# KiCad board distribution.kicad_pcb (continued)
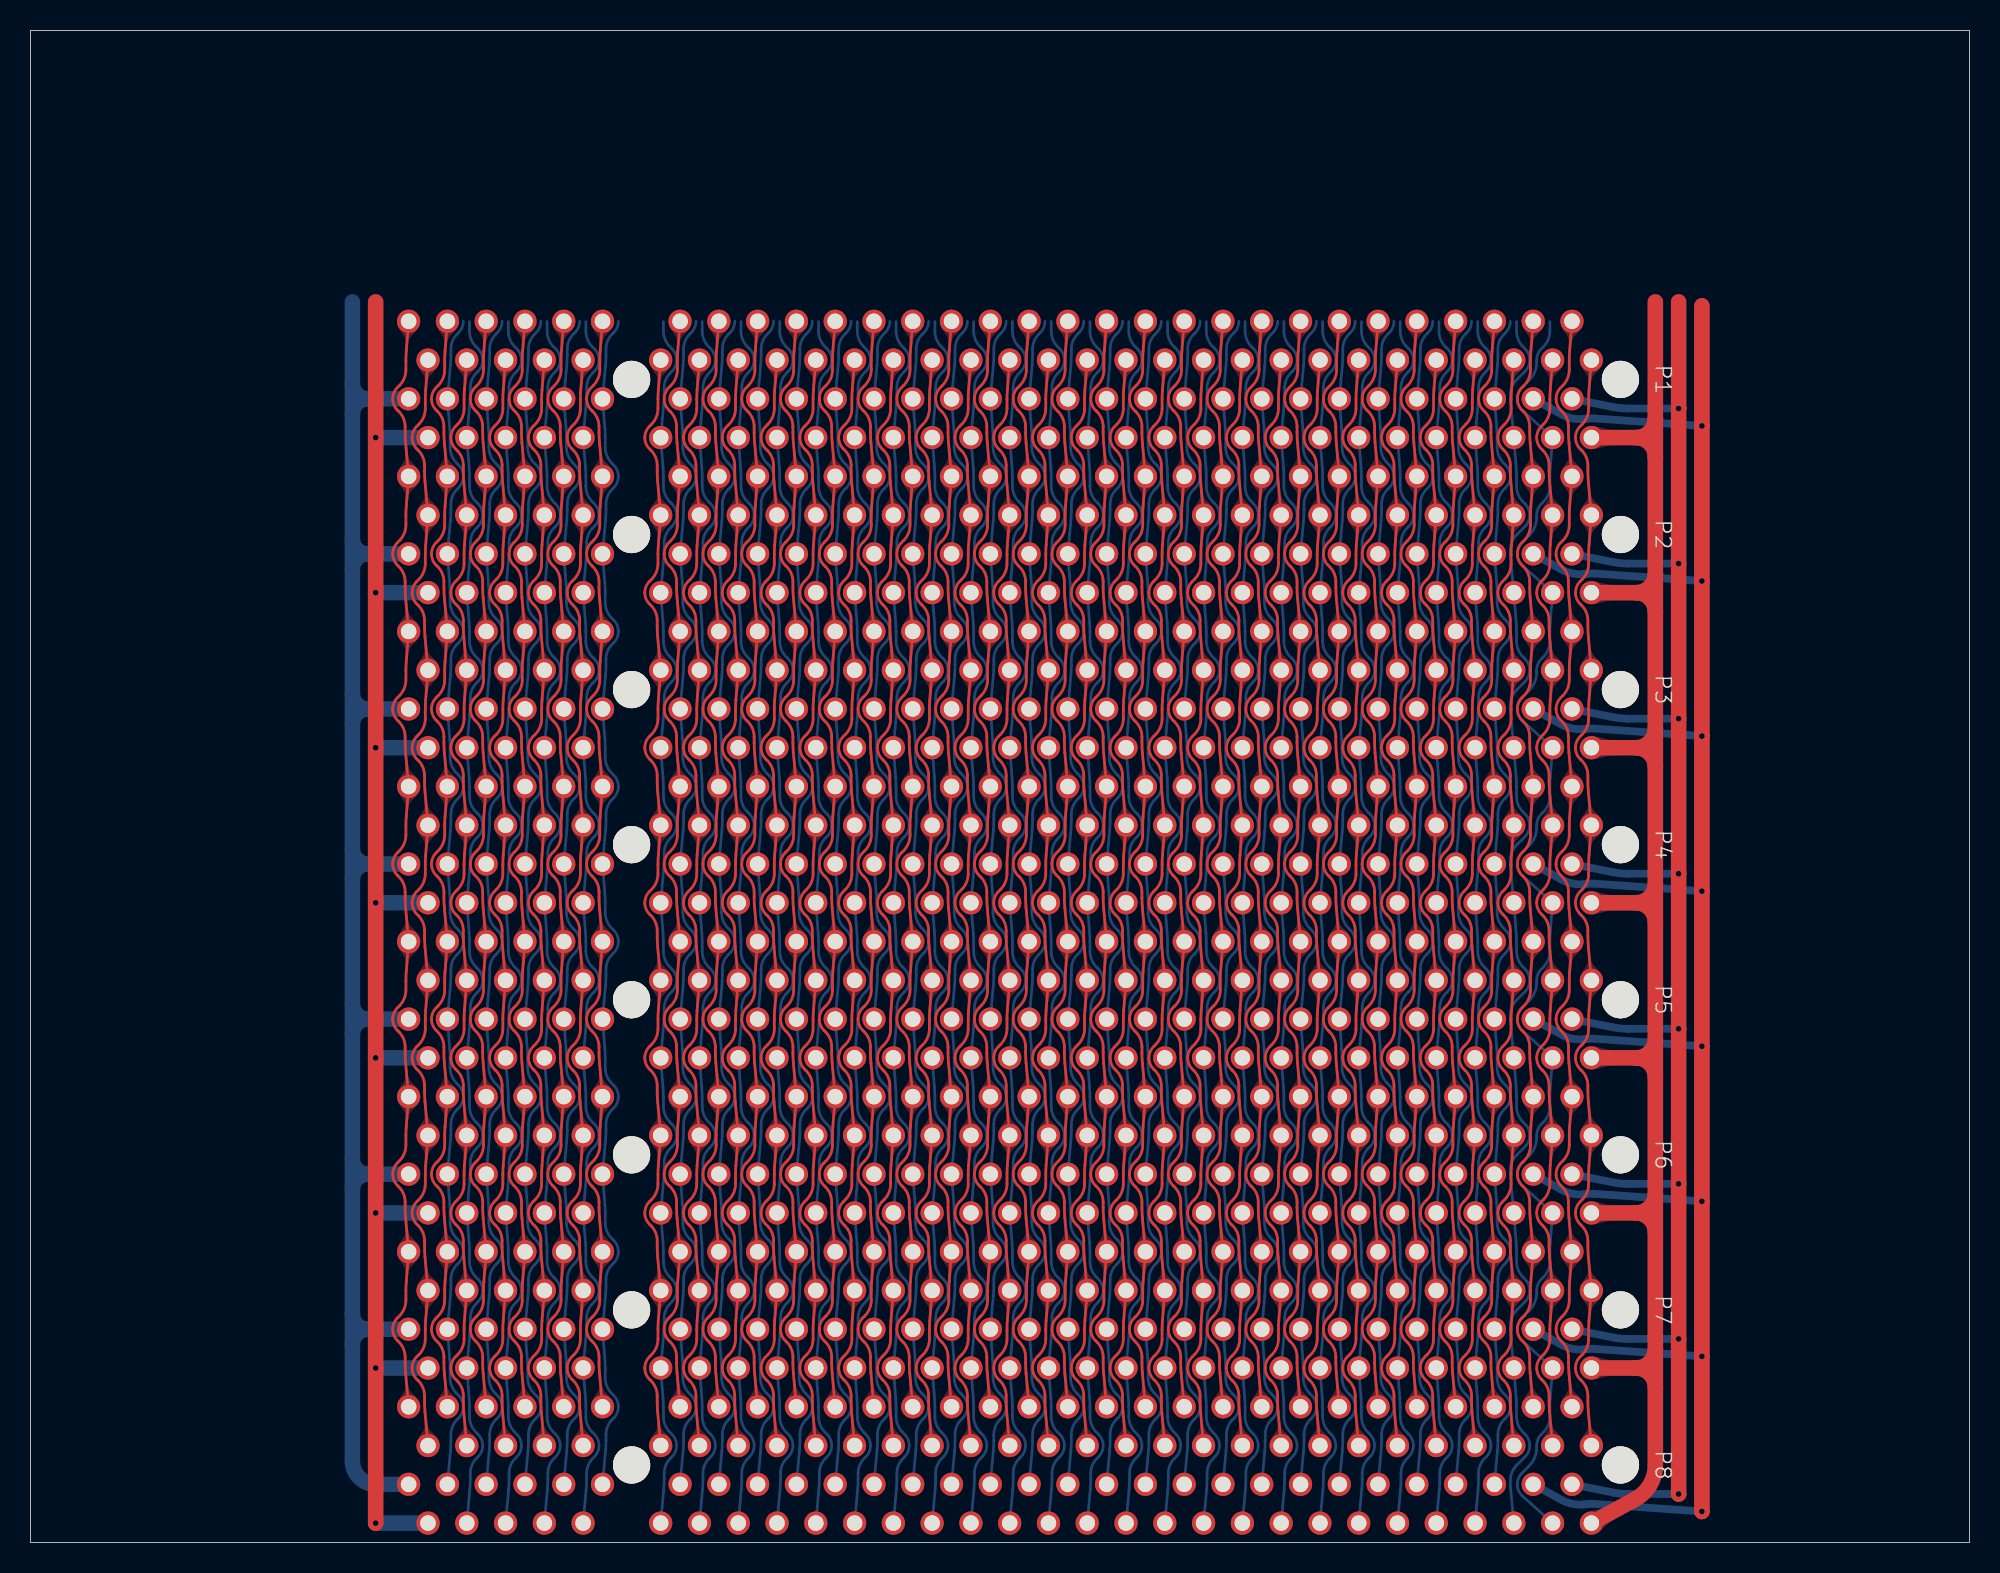
[diagram p0: board, top side]
## Routing (per net, layer and track width the routed paths; a pad name or vN(x,y) marks a point on that pad's centre or on a via; arc(x,y) is an arc through that point) (continued)
~{P6c}: length 79.9
  Bottom w0.178: P8.A24 73.22,6.01 arc(73.25,6.35) 73.25,6.69 73.25,7.07 arc(73.36,7.6) 73.66,8.05 73.76,8.15 arc(73.99,8.49) 74.07,8.89 arc(73.99,9.29) 73.76,9.63 73.63,9.75 arc(73.32,10.23) 73.2,10.8 73.2,11.41 arc(73.2,11.71) 73.18,12.01 P7.A24 73.22,16.17 arc(73.25,16.51) 73.25,16.85 73.25,17.23 arc(73.36,17.76) 73.66,18.21 73.76,18.31 arc(73.99,18.65) 74.07,19.05 arc(73.99,19.45) 73.76,19.79 73.63,19.91 arc(73.32,20.39) 73.2,20.96 73.2,21.57 arc(73.2,21.87) 73.18,22.17 P6.A24 73.22,26.33 arc(73.25,26.67) 73.25,27.01 73.25,27.39 arc(73.36,27.92) 73.66,28.37 73.76,28.47 arc(73.99,28.81) 74.07,29.21 arc(73.99,29.61) 73.76,29.95 73.63,30.07 arc(73.32,30.55) 73.2,31.12 73.2,31.73 arc(73.2,32.03) 73.18,32.33 P5.A24 73.22,36.49 arc(73.25,36.83) 73.25,37.17 73.25,37.55 arc(73.36,38.08) 73.66,38.53 73.76,38.63 arc(73.99,38.97) 74.07,39.37 arc(73.99,39.77) 73.76,40.11 73.63,40.23 arc(73.32,40.71) 73.2,41.28 73.2,41.89 arc(73.2,42.19) 73.18,42.49 P4.A24 73.22,46.65 arc(73.25,46.99) 73.25,47.33 73.25,47.71 arc(73.36,48.24) 73.66,48.69 73.76,48.79 arc(73.99,49.13) 74.07,49.53 arc(73.99,49.93) 73.76,50.27 73.63,50.39 arc(73.32,50.87) 73.2,51.44 73.2,52.05 arc(73.2,52.35) 73.18,52.65 P3.A24 73.22,56.81 arc(73.25,57.15) 73.25,57.49 73.25,57.87 arc(73.36,58.4) 73.66,58.85 73.76,58.95 arc(73.99,59.29) 74.07,59.69 arc(73.99,60.09) 73.76,60.43 73.63,60.55 arc(73.32,61.03) 73.2,61.6 73.2,62.21 arc(73.2,62.51) 73.18,62.81 P2.A24 73.22,66.97 arc(73.25,67.31) 73.25,67.65 73.25,68.03 arc(73.36,68.56) 73.66,69.01 73.76,69.11 arc(73.99,69.45) 74.07,69.85 arc(73.99,70.25) 73.76,70.59 73.63,70.71 arc(73.32,71.19) 73.2,71.76 73.2,72.37 arc(73.2,72.67) 73.18,72.97 P1.A24 73.22,77.13 arc(73.25,77.47) 73.25,77.81 73.25,78.19 arc(73.36,78.72) 73.66,79.17 73.76,79.27 arc(73.99,79.61) 74.07,80.01
~{P6d}: length 79.9
  Bottom w0.178: P8.A26 70.68,6.01 arc(70.71,6.35) 70.71,6.69 70.71,7.07 arc(70.82,7.6) 71.12,8.05 71.22,8.15 arc(71.45,8.49) 71.53,8.89 arc(71.45,9.29) 71.22,9.63 71.09,9.75 arc(70.78,10.23) 70.66,10.8 70.66,11.41 arc(70.66,11.71) 70.64,12.01 P7.A26 70.68,16.17 arc(70.71,16.51) 70.71,16.85 70.71,17.23 arc(70.82,17.76) 71.12,18.21 71.22,18.31 arc(71.45,18.65) 71.53,19.05 arc(71.45,19.45) 71.22,19.79 71.09,19.91 arc(70.78,20.39) 70.66,20.96 70.66,21.57 arc(70.66,21.87) 70.64,22.17 P6.A26 70.68,26.33 arc(70.71,26.67) 70.71,27.01 70.71,27.39 arc(70.82,27.92) 71.12,28.37 71.22,28.47 arc(71.45,28.81) 71.53,29.21 arc(71.45,29.61) 71.22,29.95 71.09,30.07 arc(70.78,30.55) 70.66,31.12 70.66,31.73 arc(70.66,32.03) 70.64,32.33 P5.A26 70.68,36.49 arc(70.71,36.83) 70.71,37.17 70.71,37.55 arc(70.82,38.08) 71.12,38.53 71.22,38.63 arc(71.45,38.97) 71.53,39.37 arc(71.45,39.77) 71.22,40.11 71.09,40.23 arc(70.78,40.71) 70.66,41.28 70.66,41.89 arc(70.66,42.19) 70.64,42.49 P4.A26 70.68,46.65 arc(70.71,46.99) 70.71,47.33 70.71,47.71 arc(70.82,48.24) 71.12,48.69 71.22,48.79 arc(71.45,49.13) 71.53,49.53 arc(71.45,49.93) 71.22,50.27 71.09,50.39 arc(70.78,50.87) 70.66,51.44 70.66,52.05 arc(70.66,52.35) 70.64,52.65 P3.A26 70.68,56.81 arc(70.71,57.15) 70.71,57.49 70.71,57.87 arc(70.82,58.4) 71.12,58.85 71.22,58.95 arc(71.45,59.29) 71.53,59.69 arc(71.45,60.09) 71.22,60.43 71.09,60.55 arc(70.78,61.03) 70.66,61.6 70.66,62.21 arc(70.66,62.51) 70.64,62.81 P2.A26 70.68,66.97 arc(70.71,67.31) 70.71,67.65 70.71,68.03 arc(70.82,68.56) 71.12,69.01 71.22,69.11 arc(71.45,69.45) 71.53,69.85 arc(71.45,70.25) 71.22,70.59 71.09,70.71 arc(70.78,71.19) 70.66,71.76 70.66,72.37 arc(70.66,72.67) 70.64,72.97 P1.A26 70.68,77.13 arc(70.71,77.47) 70.71,77.81 70.71,78.19 arc(70.82,78.72) 71.12,79.17 71.22,79.27 arc(71.45,79.61) 71.53,80.01
~{P6}: length 74.6
  Top w0.178: 46.36,6.35 46.16,8.55 arc(46.13,8.89) 46.13,9.23 46.13,9.61 arc(46.02,10.14) 45.72,10.59 45.62,10.69 arc(45.39,11.03) 45.31,11.43 arc(45.39,11.83) 45.62,12.17 45.75,12.29 arc(46.06,12.77) 46.18,13.34 46.18,13.95 arc(46.18,14.25) 46.2,14.55 46.36,16.51 46.16,18.71 arc(46.13,19.05) 46.13,19.39 46.13,19.77 arc(46.02,20.3) 45.72,20.75 45.62,20.85 arc(45.39,21.19) 45.31,21.59 arc(45.39,21.99) 45.62,22.33 45.75,22.45 arc(46.06,22.93) 46.18,23.5 46.18,24.11 arc(46.18,24.41) 46.2,24.71 46.36,26.67 46.16,28.87 arc(46.13,29.21) 46.13,29.55 46.13,29.93 arc(46.02,30.46) 45.72,30.91 45.62,31.01 arc(45.39,31.35) 45.31,31.75 arc(45.39,32.15) 45.62,32.49 45.75,32.61 arc(46.06,33.09) 46.18,33.66 46.18,34.27 arc(46.18,34.57) 46.2,34.87 46.36,36.83 46.16,39.03 arc(46.13,39.37) 46.13,39.71 46.13,40.09 arc(46.02,40.62) 45.72,41.07 45.62,41.17 arc(45.39,41.51) 45.31,41.91 arc(45.39,42.31) 45.62,42.65 45.75,42.77 arc(46.06,43.25) 46.18,43.82 46.18,44.43 arc(46.18,44.73) 46.2,45.03 46.36,46.99 46.16,49.19 arc(46.13,49.53) 46.13,49.87 46.13,50.25 arc(46.02,50.78) 45.72,51.23 45.62,51.33 arc(45.39,51.67) 45.31,52.07 arc(45.39,52.47) 45.62,52.81 45.75,52.93 arc(46.06,53.41) 46.18,53.98 46.18,54.59 arc(46.18,54.89) 46.2,55.19 46.36,57.15 46.16,59.35 arc(46.13,59.69) 46.13,60.03 46.13,60.41 arc(46.02,60.94) 45.72,61.39 45.62,61.49 arc(45.39,61.83) 45.31,62.23 arc(45.39,62.63) 45.62,62.97 45.75,63.09 arc(46.06,63.57) 46.18,64.14 46.18,64.75 arc(46.18,65.05) 46.2,65.35 46.36,67.31 46.16,69.51 arc(46.13,69.85) 46.13,70.19 46.13,70.57 arc(46.02,71.1) 45.72,71.55 45.62,71.65 arc(45.39,71.99) 45.31,72.39 arc(45.39,72.79) 45.62,73.13 45.75,73.25 arc(46.06,73.73) 46.18,74.3 46.18,74.91 arc(46.18,75.21) 46.2,75.51 46.36,77.47
~{Q1d}: length 82.7
  Bottom w0.178: 53.98,1.27 54.17,3.47 arc(54.2,3.81) 54.2,4.15 54.2,4.53 arc(54.31,5.06) 54.61,5.51 54.71,5.61 arc(54.94,5.95) 55.02,6.35 arc(54.94,6.75) 54.71,7.09 54.58,7.21 arc(54.27,7.69) 54.15,8.26 54.15,8.87 arc(54.15,9.17) 54.13,9.47 53.98,11.43 54.17,13.63 arc(54.2,13.97) 54.2,14.31 54.2,14.69 arc(54.31,15.22) 54.61,15.67 54.71,15.77 arc(54.94,16.11) 55.02,16.51 arc(54.94,16.91) 54.71,17.25 54.58,17.37 arc(54.27,17.85) 54.15,18.42 54.15,19.03 arc(54.15,19.33) 54.13,19.63 53.98,21.59 54.17,23.79 arc(54.2,24.13) 54.2,24.47 54.2,24.85 arc(54.31,25.38) 54.61,25.83 54.71,25.93 arc(54.94,26.27) 55.02,26.67 arc(54.94,27.07) 54.71,27.41 54.58,27.53 arc(54.27,28.01) 54.15,28.58 54.15,29.19 arc(54.15,29.49) 54.13,29.79 53.98,31.75 54.17,33.95 arc(54.2,34.29) 54.2,34.63 54.2,35.01 arc(54.31,35.54) 54.61,35.99 54.71,36.09 arc(54.94,36.43) 55.02,36.83 arc(54.94,37.23) 54.71,37.57 54.58,37.69 arc(54.27,38.17) 54.15,38.74 54.15,39.35 arc(54.15,39.65) 54.13,39.95 53.98,41.91 54.17,44.11 arc(54.2,44.45) 54.2,44.79 54.2,45.17 arc(54.31,45.7) 54.61,46.15 54.71,46.25 arc(54.94,46.59) 55.02,46.99 arc(54.94,47.39) 54.71,47.73 54.58,47.85 arc(54.27,48.33) 54.15,48.9 54.15,49.51 arc(54.15,49.81) 54.13,50.11 53.98,52.07 54.17,54.27 arc(54.2,54.61) 54.2,54.95 54.2,55.33 arc(54.31,55.86) 54.61,56.31 54.71,56.41 arc(54.94,56.75) 55.02,57.15 arc(54.94,57.55) 54.71,57.89 54.58,58.01 arc(54.27,58.49) 54.15,59.06 54.15,59.67 arc(54.15,59.97) 54.13,60.27 53.98,62.23 54.17,64.43 arc(54.2,64.77) 54.2,65.11 54.2,65.49 arc(54.31,66.02) 54.61,66.47 54.71,66.57 arc(54.94,66.91) 55.02,67.31 arc(54.94,67.71) 54.71,68.05 54.58,68.17 arc(54.27,68.65) 54.15,69.22 54.15,69.83 arc(54.15,70.13) 54.13,70.43 53.98,72.39 54.17,74.59 arc(54.2,74.93) 54.2,75.27 54.2,75.65 arc(54.31,76.18) 54.61,76.63 54.71,76.73 arc(54.94,77.07) 55.02,77.47 arc(54.94,77.87) 54.71,78.21 54.58,78.33 arc(54.27,78.81) 54.15,79.38 54.15,79.99
~{Q1}: length 74.6
  Top w0.178: 26.03,6.35 25.84,8.55 arc(25.81,8.89) 25.81,9.23 25.81,9.61 arc(25.7,10.14) 25.4,10.59 25.3,10.69 arc(25.07,11.03) 24.99,11.43 arc(25.07,11.83) 25.3,12.17 25.43,12.29 arc(25.74,12.77) 25.86,13.34 25.86,13.95 arc(25.86,14.25) 25.88,14.55 26.03,16.51 25.84,18.71 arc(25.81,19.05) 25.81,19.39 25.81,19.77 arc(25.7,20.3) 25.4,20.75 25.3,20.85 arc(25.07,21.19) 24.99,21.59 arc(25.07,21.99) 25.3,22.33 25.43,22.45 arc(25.74,22.93) 25.86,23.5 25.86,24.11 arc(25.86,24.41) 25.88,24.71 26.03,26.67 25.84,28.87 arc(25.81,29.21) 25.81,29.55 25.81,29.93 arc(25.7,30.46) 25.4,30.91 25.3,31.01 arc(25.07,31.35) 24.99,31.75 arc(25.07,32.15) 25.3,32.49 25.43,32.61 arc(25.74,33.09) 25.86,33.66 25.86,34.27 arc(25.86,34.57) 25.88,34.87 26.03,36.83 25.84,39.03 arc(25.81,39.37) 25.81,39.71 25.81,40.09 arc(25.7,40.62) 25.4,41.07 25.3,41.17 arc(25.07,41.51) 24.99,41.91 arc(25.07,42.31) 25.3,42.65 25.43,42.77 arc(25.74,43.25) 25.86,43.82 25.86,44.43 arc(25.86,44.73) 25.88,45.03 26.03,46.99 25.84,49.19 arc(25.81,49.53) 25.81,49.87 25.81,50.25 arc(25.7,50.78) 25.4,51.23 25.3,51.33 arc(25.07,51.67) 24.99,52.07 arc(25.07,52.47) 25.3,52.81 25.43,52.93 arc(25.74,53.41) 25.86,53.98 25.86,54.59 arc(25.86,54.89) 25.88,55.19 26.03,57.15 25.84,59.35 arc(25.81,59.69) 25.81,60.03 25.81,60.41 arc(25.7,60.94) 25.4,61.39 25.3,61.49 arc(25.07,61.83) 24.99,62.23 arc(25.07,62.63) 25.3,62.97 25.43,63.09 arc(25.74,63.57) 25.86,64.14 25.86,64.75 arc(25.86,65.05) 25.88,65.35 26.03,67.31 25.84,69.51 arc(25.81,69.85) 25.81,70.19 25.81,70.57 arc(25.7,71.1) 25.4,71.55 25.3,71.65 arc(25.07,71.99) 24.99,72.39 arc(25.07,72.79) 25.3,73.13 25.43,73.25 arc(25.74,73.73) 25.86,74.3 25.86,74.91 arc(25.86,75.21) 25.88,75.51 26.03,77.47
~{Q2c}: length 82.7
  Bottom w0.178: 48.89,1.27 49.09,3.47 arc(49.12,3.81) 49.12,4.15 49.12,4.53 arc(49.23,5.06) 49.53,5.51 49.63,5.61 arc(49.86,5.95) 49.94,6.35 arc(49.86,6.75) 49.63,7.09 49.5,7.21 arc(49.19,7.69) 49.07,8.26 49.07,8.87 arc(49.07,9.17) 49.05,9.47 48.89,11.43 49.09,13.63 arc(49.12,13.97) 49.12,14.31 49.12,14.69 arc(49.23,15.22) 49.53,15.67 49.63,15.77 arc(49.86,16.11) 49.94,16.51 arc(49.86,16.91) 49.63,17.25 49.5,17.37 arc(49.19,17.85) 49.07,18.42 49.07,19.03 arc(49.07,19.33) 49.05,19.63 48.89,21.59 49.09,23.79 arc(49.12,24.13) 49.12,24.47 49.12,24.85 arc(49.23,25.38) 49.53,25.83 49.63,25.93 arc(49.86,26.27) 49.94,26.67 arc(49.86,27.07) 49.63,27.41 49.5,27.53 arc(49.19,28.01) 49.07,28.58 49.07,29.19 arc(49.07,29.49) 49.05,29.79 48.89,31.75 49.09,33.95 arc(49.12,34.29) 49.12,34.63 49.12,35.01 arc(49.23,35.54) 49.53,35.99 49.63,36.09 arc(49.86,36.43) 49.94,36.83 arc(49.86,37.23) 49.63,37.57 49.5,37.69 arc(49.19,38.17) 49.07,38.74 49.07,39.35 arc(49.07,39.65) 49.05,39.95 48.89,41.91 49.09,44.11 arc(49.12,44.45) 49.12,44.79 49.12,45.17 arc(49.23,45.7) 49.53,46.15 49.63,46.25 arc(49.86,46.59) 49.94,46.99 arc(49.86,47.39) 49.63,47.73 49.5,47.85 arc(49.19,48.33) 49.07,48.9 49.07,49.51 arc(49.07,49.81) 49.05,50.11 48.89,52.07 49.09,54.27 arc(49.12,54.61) 49.12,54.95 49.12,55.33 arc(49.23,55.86) 49.53,56.31 49.63,56.41 arc(49.86,56.75) 49.94,57.15 arc(49.86,57.55) 49.63,57.89 49.5,58.01 arc(49.19,58.49) 49.07,59.06 49.07,59.67 arc(49.07,59.97) 49.05,60.27 48.89,62.23 49.09,64.43 arc(49.12,64.77) 49.12,65.11 49.12,65.49 arc(49.23,66.02) 49.53,66.47 49.63,66.57 arc(49.86,66.91) 49.94,67.31 arc(49.86,67.71) 49.63,68.05 49.5,68.17 arc(49.19,68.65) 49.07,69.22 49.07,69.83 arc(49.07,70.13) 49.05,70.43 48.89,72.39 49.09,74.59 arc(49.12,74.93) 49.12,75.27 49.12,75.65 arc(49.23,76.18) 49.53,76.63 49.63,76.73 arc(49.86,77.07) 49.94,77.47 arc(49.86,77.87) 49.63,78.21 49.5,78.33 arc(49.19,78.81) 49.07,79.38 49.07,79.99
~{Q2d}: length 82.7
  Bottom w0.178: 46.36,1.27 46.55,3.47 arc(46.58,3.81) 46.58,4.15 46.58,4.53 arc(46.69,5.06) 46.99,5.51 47.09,5.61 arc(47.32,5.95) 47.4,6.35 arc(47.32,6.75) 47.09,7.09 46.96,7.21 arc(46.65,7.69) 46.53,8.26 46.53,8.87 arc(46.53,9.17) 46.51,9.47 46.36,11.43 46.55,13.63 arc(46.58,13.97) 46.58,14.31 46.58,14.69 arc(46.69,15.22) 46.99,15.67 47.09,15.77 arc(47.32,16.11) 47.4,16.51 arc(47.32,16.91) 47.09,17.25 46.96,17.37 arc(46.65,17.85) 46.53,18.42 46.53,19.03 arc(46.53,19.33) 46.51,19.63 46.36,21.59 46.55,23.79 arc(46.58,24.13) 46.58,24.47 46.58,24.85 arc(46.69,25.38) 46.99,25.83 47.09,25.93 arc(47.32,26.27) 47.4,26.67 arc(47.32,27.07) 47.09,27.41 46.96,27.53 arc(46.65,28.01) 46.53,28.58 46.53,29.19 arc(46.53,29.49) 46.51,29.79 46.36,31.75 46.55,33.95 arc(46.58,34.29) 46.58,34.63 46.58,35.01 arc(46.69,35.54) 46.99,35.99 47.09,36.09 arc(47.32,36.43) 47.4,36.83 arc(47.32,37.23) 47.09,37.57 46.96,37.69 arc(46.65,38.17) 46.53,38.74 46.53,39.35 arc(46.53,39.65) 46.51,39.95 46.36,41.91 46.55,44.11 arc(46.58,44.45) 46.58,44.79 46.58,45.17 arc(46.69,45.7) 46.99,46.15 47.09,46.25 arc(47.32,46.59) 47.4,46.99 arc(47.32,47.39) 47.09,47.73 46.96,47.85 arc(46.65,48.33) 46.53,48.9 46.53,49.51 arc(46.53,49.81) 46.51,50.11 46.36,52.07 46.55,54.27 arc(46.58,54.61) 46.58,54.95 46.58,55.33 arc(46.69,55.86) 46.99,56.31 47.09,56.41 arc(47.32,56.75) 47.4,57.15 arc(47.32,57.55) 47.09,57.89 46.96,58.01 arc(46.65,58.49) 46.53,59.06 46.53,59.67 arc(46.53,59.97) 46.51,60.27 46.36,62.23 46.55,64.43 arc(46.58,64.77) 46.58,65.11 46.58,65.49 arc(46.69,66.02) 46.99,66.47 47.09,66.57 arc(47.32,66.91) 47.4,67.31 arc(47.32,67.71) 47.09,68.05 46.96,68.17 arc(46.65,68.65) 46.53,69.22 46.53,69.83 arc(46.53,70.13) 46.51,70.43 46.36,72.39 46.55,74.59 arc(46.58,74.93) 46.58,75.27 46.58,75.65 arc(46.69,76.18) 46.99,76.63 47.09,76.73 arc(47.32,77.07) 47.4,77.47 arc(47.32,77.87) 47.09,78.21 46.96,78.33 arc(46.65,78.81) 46.53,79.38 46.53,79.99
~{Q2}: length 74.6
  Top w0.178: P1.B60 27.15,78.05 arc(27.13,77.75) 27.13,77.45 27.13,76.84 arc(27.01,76.27) 26.7,75.79 26.57,75.67 arc(26.34,75.33) 26.26,74.93 arc(26.34,74.53) 26.57,74.19 26.67,74.09 arc(26.97,73.64) 27.08,73.11 27.08,72.73 arc(27.08,72.39) 27.11,72.05 P2.B60 27.15,67.89 arc(27.13,67.59) 27.13,67.29 27.13,66.68 arc(27.01,66.11) 26.7,65.63 26.57,65.51 arc(26.34,65.17) 26.26,64.77 arc(26.34,64.37) 26.57,64.03 26.67,63.93 arc(26.97,63.48) 27.08,62.95 27.08,62.57 arc(27.08,62.23) 27.11,61.89 P3.B60 27.15,57.73 arc(27.13,57.43) 27.13,57.13 27.13,56.52 arc(27.01,55.95) 26.7,55.47 26.57,55.35 arc(26.34,55.01) 26.26,54.61 arc(26.34,54.21) 26.57,53.87 26.67,53.77 arc(26.97,53.32) 27.08,52.79 27.08,52.41 arc(27.08,52.07) 27.11,51.73 P4.B60 27.15,47.57 arc(27.13,47.27) 27.13,46.97 27.13,46.36 arc(27.01,45.79) 26.7,45.31 26.57,45.19 arc(26.34,44.85) 26.26,44.45 arc(26.34,44.05) 26.57,43.71 26.67,43.61 arc(26.97,43.16) 27.08,42.63 27.08,42.25 arc(27.08,41.91) 27.11,41.57 P5.B60 27.15,37.41 arc(27.13,37.11) 27.13,36.81 27.13,36.2 arc(27.01,35.63) 26.7,35.15 26.57,35.03 arc(26.34,34.69) 26.26,34.29 arc(26.34,33.89) 26.57,33.55 26.67,33.45 arc(26.97,33) 27.08,32.47 27.08,32.09 arc(27.08,31.75) 27.11,31.41 P6.B60 27.15,27.25 arc(27.13,26.95) 27.13,26.65 27.13,26.04 arc(27.01,25.47) 26.7,24.99 26.57,24.87 arc(26.34,24.53) 26.26,24.13 arc(26.34,23.73) 26.57,23.39 26.67,23.29 arc(26.97,22.84) 27.08,22.31 27.08,21.93 arc(27.08,21.59) 27.11,21.25 P7.B60 27.15,17.09 arc(27.13,16.79) 27.13,16.49 27.13,15.88 arc(27.01,15.31) 26.7,14.83 26.57,14.71 arc(26.34,14.37) 26.26,13.97 arc(26.34,13.57) 26.57,13.23 26.67,13.13 arc(26.97,12.68) 27.08,12.15 27.08,11.77 arc(27.08,11.43) 27.11,11.09 P8.B60
~{Q3}: length 82.7
  Bottom w0.178: 28.58,1.27 28.77,3.47 arc(28.8,3.81) 28.8,4.15 28.8,4.53 arc(28.91,5.06) 29.21,5.51 29.31,5.61 arc(29.54,5.95) 29.62,6.35 arc(29.54,6.75) 29.31,7.09 29.18,7.21 arc(28.87,7.69) 28.75,8.26 28.75,8.87 arc(28.75,9.17) 28.73,9.47 28.58,11.43 28.77,13.63 arc(28.8,13.97) 28.8,14.31 28.8,14.69 arc(28.91,15.22) 29.21,15.67 29.31,15.77 arc(29.54,16.11) 29.62,16.51 arc(29.54,16.91) 29.31,17.25 29.18,17.37 arc(28.87,17.85) 28.75,18.42 28.75,19.03 arc(28.75,19.33) 28.73,19.63 28.58,21.59 28.77,23.79 arc(28.8,24.13) 28.8,24.47 28.8,24.85 arc(28.91,25.38) 29.21,25.83 29.31,25.93 arc(29.54,26.27) 29.62,26.67 arc(29.54,27.07) 29.31,27.41 29.18,27.53 arc(28.87,28.01) 28.75,28.58 28.75,29.19 arc(28.75,29.49) 28.73,29.79 28.58,31.75 28.77,33.95 arc(28.8,34.29) 28.8,34.63 28.8,35.01 arc(28.91,35.54) 29.21,35.99 29.31,36.09 arc(29.54,36.43) 29.62,36.83 arc(29.54,37.23) 29.31,37.57 29.18,37.69 arc(28.87,38.17) 28.75,38.74 28.75,39.35 arc(28.75,39.65) 28.73,39.95 28.58,41.91 28.77,44.11 arc(28.8,44.45) 28.8,44.79 28.8,45.17 arc(28.91,45.7) 29.21,46.15 29.31,46.25 arc(29.54,46.59) 29.62,46.99 arc(29.54,47.39) 29.31,47.73 29.18,47.85 arc(28.87,48.33) 28.75,48.9 28.75,49.51 arc(28.75,49.81) 28.73,50.11 28.58,52.07 28.77,54.27 arc(28.8,54.61) 28.8,54.95 28.8,55.33 arc(28.91,55.86) 29.21,56.31 29.31,56.41 arc(29.54,56.75) 29.62,57.15 arc(29.54,57.55) 29.31,57.89 29.18,58.01 arc(28.87,58.49) 28.75,59.06 28.75,59.67 arc(28.75,59.97) 28.73,60.27 28.58,62.23 28.77,64.43 arc(28.8,64.77) 28.8,65.11 28.8,65.49 arc(28.91,66.02) 29.21,66.47 29.31,66.57 arc(29.54,66.91) 29.62,67.31 arc(29.54,67.71) 29.31,68.05 29.18,68.17 arc(28.87,68.65) 28.75,69.22 28.75,69.83 arc(28.75,70.13) 28.73,70.43 28.58,72.39 28.77,74.59 arc(28.8,74.93) 28.8,75.27 28.8,75.65 arc(28.91,76.18) 29.21,76.63 29.31,76.73 arc(29.54,77.07) 29.62,77.47 arc(29.54,77.87) 29.31,78.21 29.18,78.33 arc(28.87,78.81) 28.75,79.38 28.75,79.99
~{Q4}: length 74.6
  Top w0.178: P8.B62 24.57,11.09 arc(24.54,11.43) 24.54,11.77 24.54,12.15 arc(24.43,12.68) 24.13,13.13 24.03,13.23 arc(23.8,13.57) 23.72,13.97 arc(23.8,14.37) 24.03,14.71 24.16,14.83 arc(24.47,15.31) 24.59,15.88 24.59,16.49 arc(24.59,16.79) 24.61,17.09 P7.B62 24.57,21.25 arc(24.54,21.59) 24.54,21.93 24.54,22.31 arc(24.43,22.84) 24.13,23.29 24.03,23.39 arc(23.8,23.73) 23.72,24.13 arc(23.8,24.53) 24.03,24.87 24.16,24.99 arc(24.47,25.47) 24.59,26.04 24.59,26.65 arc(24.59,26.95) 24.61,27.25 P6.B62 24.57,31.41 arc(24.54,31.75) 24.54,32.09 24.54,32.47 arc(24.43,33) 24.13,33.45 24.03,33.55 arc(23.8,33.89) 23.72,34.29 arc(23.8,34.69) 24.03,35.03 24.16,35.15 arc(24.47,35.63) 24.59,36.2 24.59,36.81 arc(24.59,37.11) 24.61,37.41 P5.B62 24.57,41.57 arc(24.54,41.91) 24.54,42.25 24.54,42.63 arc(24.43,43.16) 24.13,43.61 24.03,43.71 arc(23.8,44.05) 23.72,44.45 arc(23.8,44.85) 24.03,45.19 24.16,45.31 arc(24.47,45.79) 24.59,46.36 24.59,46.97 arc(24.59,47.27) 24.61,47.57 P4.B62 24.57,51.73 arc(24.54,52.07) 24.54,52.41 24.54,52.79 arc(24.43,53.32) 24.13,53.77 24.03,53.87 arc(23.8,54.21) 23.72,54.61 arc(23.8,55.01) 24.03,55.35 24.16,55.47 arc(24.47,55.95) 24.59,56.52 24.59,57.13 arc(24.59,57.43) 24.61,57.73 P3.B62 24.57,61.89 arc(24.54,62.23) 24.54,62.57 24.54,62.95 arc(24.43,63.48) 24.13,63.93 24.03,64.03 arc(23.8,64.37) 23.72,64.77 arc(23.8,65.17) 24.03,65.51 24.16,65.63 arc(24.47,66.11) 24.59,66.68 24.59,67.29 arc(24.59,67.59) 24.61,67.89 P2.B62 24.57,72.05 arc(24.54,72.39) 24.54,72.73 24.54,73.11 arc(24.43,73.64) 24.13,74.09 24.03,74.19 arc(23.8,74.53) 23.72,74.93 arc(23.8,75.33) 24.03,75.67 24.16,75.79 arc(24.47,76.27) 24.59,76.84 24.59,77.45 arc(24.59,77.75) 24.61,78.05 P1.B62
~{r1}: length 79.9
  Bottom w0.178: P8.A10 91,6.01 arc(91.03,6.35) 91.03,6.69 91.03,7.07 arc(91.14,7.6) 91.44,8.05 91.54,8.15 arc(91.77,8.49) 91.85,8.89 arc(91.77,9.29) 91.54,9.63 91.41,9.75 arc(91.1,10.23) 90.98,10.8 90.98,11.41 arc(90.98,11.71) 90.96,12.01 P7.A10 91,16.17 arc(91.03,16.51) 91.03,16.85 91.03,17.23 arc(91.14,17.76) 91.44,18.21 91.54,18.31 arc(91.77,18.65) 91.85,19.05 arc(91.77,19.45) 91.54,19.79 91.41,19.91 arc(91.1,20.39) 90.98,20.96 90.98,21.57 arc(90.98,21.87) 90.96,22.17 P6.A10 91,26.33 arc(91.03,26.67) 91.03,27.01 91.03,27.39 arc(91.14,27.92) 91.44,28.37 91.54,28.47 arc(91.77,28.81) 91.85,29.21 arc(91.77,29.61) 91.54,29.95 91.41,30.07 arc(91.1,30.55) 90.98,31.12 90.98,31.73 arc(90.98,32.03) 90.96,32.33 P5.A10 91,36.49 arc(91.03,36.83) 91.03,37.17 91.03,37.55 arc(91.14,38.08) 91.44,38.53 91.54,38.63 arc(91.77,38.97) 91.85,39.37 arc(91.77,39.77) 91.54,40.11 91.41,40.23 arc(91.1,40.71) 90.98,41.28 90.98,41.89 arc(90.98,42.19) 90.96,42.49 P4.A10 91,46.65 arc(91.03,46.99) 91.03,47.33 91.03,47.71 arc(91.14,48.24) 91.44,48.69 91.54,48.79 arc(91.77,49.13) 91.85,49.53 arc(91.77,49.93) 91.54,50.27 91.41,50.39 arc(91.1,50.87) 90.98,51.44 90.98,52.05 arc(90.98,52.35) 90.96,52.65 P3.A10 91,56.81 arc(91.03,57.15) 91.03,57.49 91.03,57.87 arc(91.14,58.4) 91.44,58.85 91.54,58.95 arc(91.77,59.29) 91.85,59.69 arc(91.77,60.09) 91.54,60.43 91.41,60.55 arc(91.1,61.03) 90.98,61.6 90.98,62.21 arc(90.98,62.51) 90.96,62.81 P2.A10 91,66.97 arc(91.03,67.31) 91.03,67.65 91.03,68.03 arc(91.14,68.56) 91.44,69.01 91.54,69.11 arc(91.77,69.45) 91.85,69.85 arc(91.77,70.25) 91.54,70.59 91.41,70.71 arc(91.1,71.19) 90.98,71.76 90.98,72.37 arc(90.98,72.67) 90.96,72.97 P1.A10 91,77.13 arc(91.03,77.47) 91.03,77.81 91.03,78.19 arc(91.14,78.72) 91.44,79.17 91.54,79.27 arc(91.77,79.61) 91.85,80.01
~{R}: length 74.6
  Top w0.178: 51.44,77.47 51.28,75.51 arc(51.26,75.21) 51.26,74.91 51.26,74.3 arc(51.14,73.73) 50.83,73.25 50.7,73.13 arc(50.47,72.79) 50.39,72.39 arc(50.47,71.99) 50.7,71.65 50.8,71.55 arc(51.1,71.1) 51.21,70.57 51.21,70.19 arc(51.21,69.85) 51.24,69.51 51.44,67.31 51.28,65.35 arc(51.26,65.05) 51.26,64.75 51.26,64.14 arc(51.14,63.57) 50.83,63.09 50.7,62.97 arc(50.47,62.63) 50.39,62.23 arc(50.47,61.83) 50.7,61.49 50.8,61.39 arc(51.1,60.94) 51.21,60.41 51.21,60.03 arc(51.21,59.69) 51.24,59.35 51.44,57.15 51.28,55.19 arc(51.26,54.89) 51.26,54.59 51.26,53.98 arc(51.14,53.41) 50.83,52.93 50.7,52.81 arc(50.47,52.47) 50.39,52.07 arc(50.47,51.67) 50.7,51.33 50.8,51.23 arc(51.1,50.78) 51.21,50.25 51.21,49.87 arc(51.21,49.53) 51.24,49.19 51.44,46.99 51.28,45.03 arc(51.26,44.73) 51.26,44.43 51.26,43.82 arc(51.14,43.25) 50.83,42.77 50.7,42.65 arc(50.47,42.31) 50.39,41.91 arc(50.47,41.51) 50.7,41.17 50.8,41.07 arc(51.1,40.62) 51.21,40.09 51.21,39.71 arc(51.21,39.37) 51.24,39.03 51.44,36.83 51.28,34.87 arc(51.26,34.57) 51.26,34.27 51.26,33.66 arc(51.14,33.09) 50.83,32.61 50.7,32.49 arc(50.47,32.15) 50.39,31.75 arc(50.47,31.35) 50.7,31.01 50.8,30.91 arc(51.1,30.46) 51.21,29.93 51.21,29.55 arc(51.21,29.21) 51.24,28.87 51.44,26.67 51.28,24.71 arc(51.26,24.41) 51.26,24.11 51.26,23.5 arc(51.14,22.93) 50.83,22.45 50.7,22.33 arc(50.47,21.99) 50.39,21.59 arc(50.47,21.19) 50.7,20.85 50.8,20.75 arc(51.1,20.3) 51.21,19.77 51.21,19.39 arc(51.21,19.05) 51.24,18.71 51.44,16.51 51.28,14.55 arc(51.26,14.25) 51.26,13.95 51.26,13.34 arc(51.14,12.77) 50.83,12.29 50.7,12.17 arc(50.47,11.83) 50.39,11.43 arc(50.47,11.03) 50.7,10.69 50.8,10.59 arc(51.1,10.14) 51.21,9.61 51.21,9.23 arc(51.21,8.89) 51.24,8.55 51.44,6.35
~{S1}: length 79.9
  Bottom w0.178: P8.A46 45.28,6.01 arc(45.31,6.35) 45.31,6.69 45.31,7.07 arc(45.42,7.6) 45.72,8.05 45.82,8.15 arc(46.05,8.49) 46.13,8.89 arc(46.05,9.29) 45.82,9.63 45.69,9.75 arc(45.38,10.23) 45.26,10.8 45.26,11.41 arc(45.26,11.71) 45.24,12.01 P7.A46 45.28,16.17 arc(45.31,16.51) 45.31,16.85 45.31,17.23 arc(45.42,17.76) 45.72,18.21 45.82,18.31 arc(46.05,18.65) 46.13,19.05 arc(46.05,19.45) 45.82,19.79 45.69,19.91 arc(45.38,20.39) 45.26,20.96 45.26,21.57 arc(45.26,21.87) 45.24,22.17 P6.A46 45.28,26.33 arc(45.31,26.67) 45.31,27.01 45.31,27.39 arc(45.42,27.92) 45.72,28.37 45.82,28.47 arc(46.05,28.81) 46.13,29.21 arc(46.05,29.61) 45.82,29.95 45.69,30.07 arc(45.38,30.55) 45.26,31.12 45.26,31.73 arc(45.26,32.03) 45.24,32.33 P5.A46 45.28,36.49 arc(45.31,36.83) 45.31,37.17 45.31,37.55 arc(45.42,38.08) 45.72,38.53 45.82,38.63 arc(46.05,38.97) 46.13,39.37 arc(46.05,39.77) 45.82,40.11 45.69,40.23 arc(45.38,40.71) 45.26,41.28 45.26,41.89 arc(45.26,42.19) 45.24,42.49 P4.A46 45.28,46.65 arc(45.31,46.99) 45.31,47.33 45.31,47.71 arc(45.42,48.24) 45.72,48.69 45.82,48.79 arc(46.05,49.13) 46.13,49.53 arc(46.05,49.93) 45.82,50.27 45.69,50.39 arc(45.38,50.87) 45.26,51.44 45.26,52.05 arc(45.26,52.35) 45.24,52.65 P3.A46 45.28,56.81 arc(45.31,57.15) 45.31,57.49 45.31,57.87 arc(45.42,58.4) 45.72,58.85 45.82,58.95 arc(46.05,59.29) 46.13,59.69 arc(46.05,60.09) 45.82,60.43 45.69,60.55 arc(45.38,61.03) 45.26,61.6 45.26,62.21 arc(45.26,62.51) 45.24,62.81 P2.A46 45.28,66.97 arc(45.31,67.31) 45.31,67.65 45.31,68.03 arc(45.42,68.56) 45.72,69.01 45.82,69.11 arc(46.05,69.45) 46.13,69.85 arc(46.05,70.25) 45.82,70.59 45.69,70.71 arc(45.38,71.19) 45.26,71.76 45.26,72.37 arc(45.26,72.67) 45.24,72.97 P1.A46 45.28,77.13 arc(45.31,77.47) 45.31,77.81 45.31,78.19 arc(45.42,78.72) 45.72,79.17 45.82,79.27 arc(46.05,79.61) 46.13,80.01
